# KiCad board keyboard (1).kicad_pcb
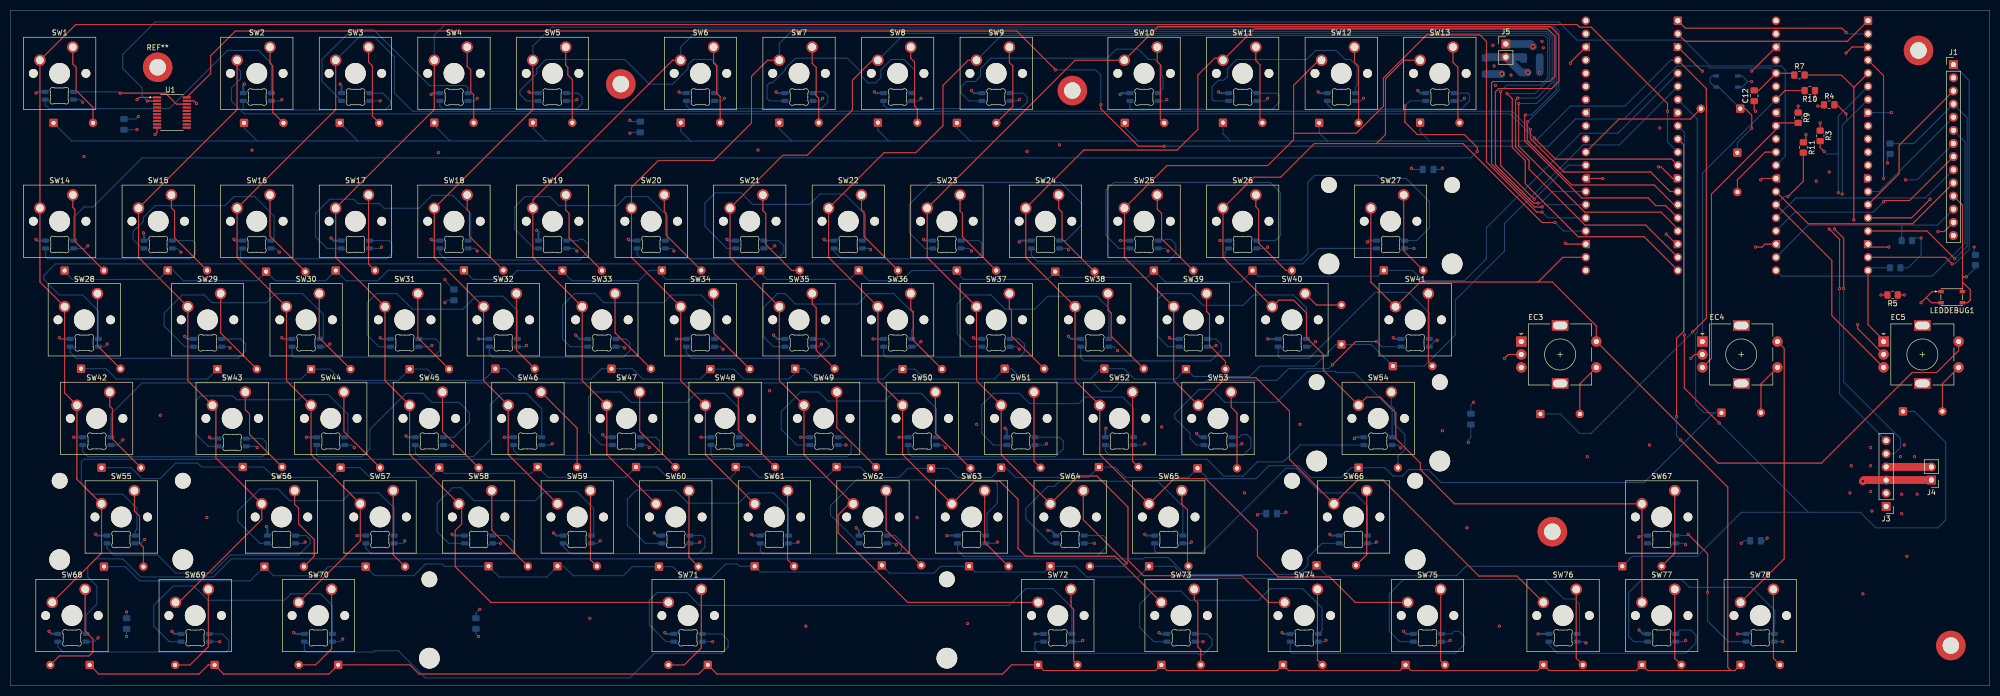
[diagram p0: board, top side]
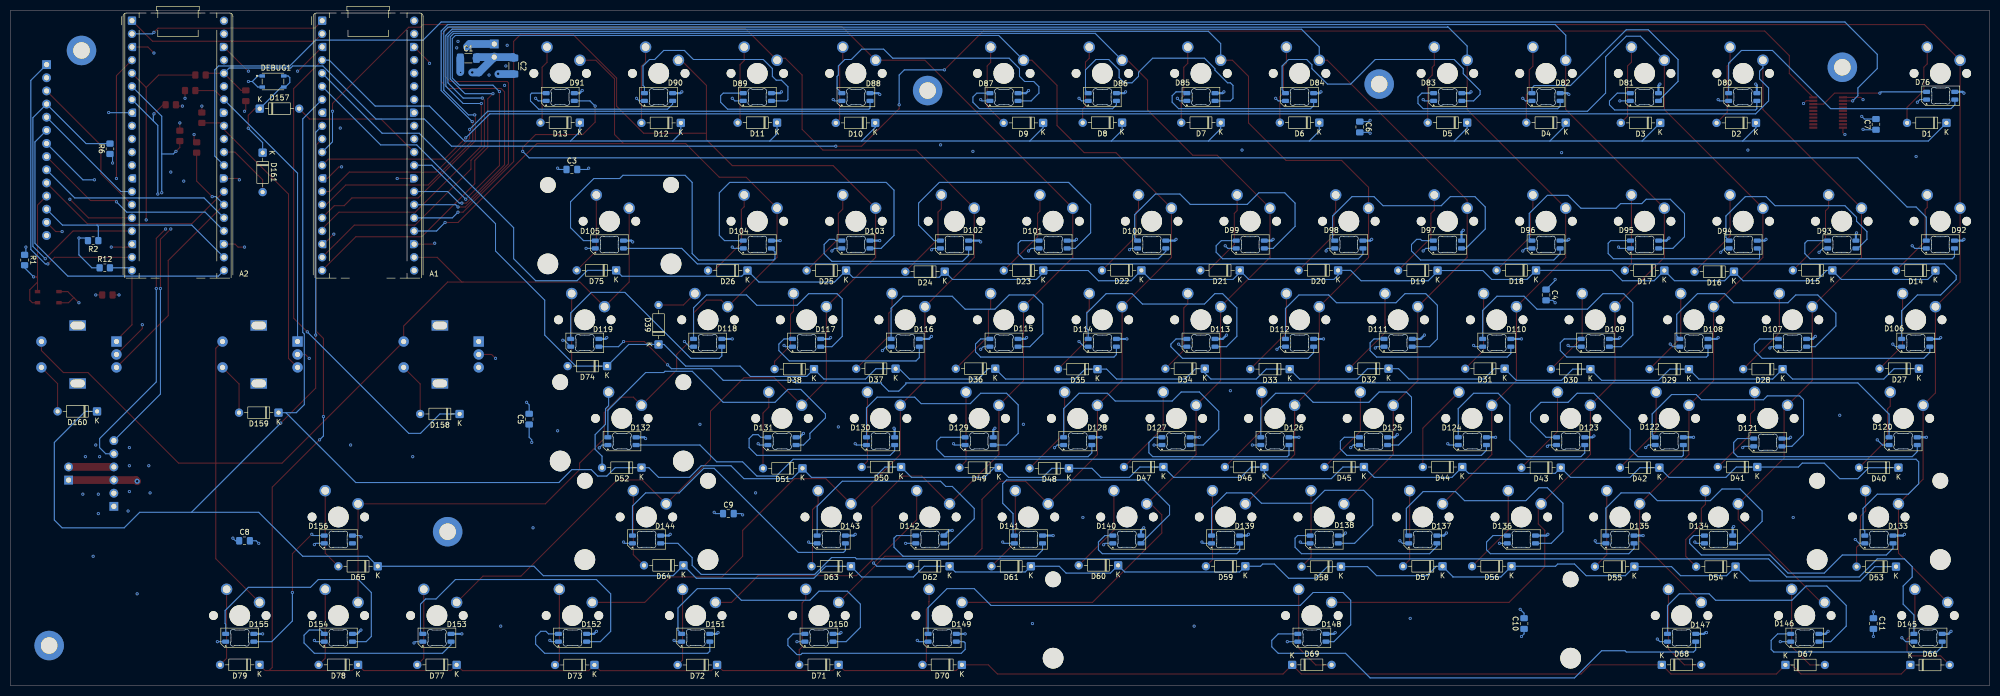
[diagram p1: board, bottom side, seen from below]

Outline 382.46 x 130.5 mm; copper layers: Top, In1.Cu, In2.Cu, Bottom. Coordinates in mm from the lower left corner of the outline.
Outline path: rectangle 0,130.5 382.46,0
Stack: Top 0.035mm / dielectric 0.1mm FR4 er 4.5 / In1.Cu 0.035mm / dielectric 1.24mm FR4 er 4.5 / In2.Cu 0.035mm / dielectric 0.1mm FR4 er 4.5 / Bottom 0.035mm

## Placement (name value [footprint] x y rotation side)
A1  RaspberryPi_Pico  [RaspberryPi_Pico_Common_THT]  322.21 128.5 180 bottom
A2  RaspberryPi_Pico  [RaspberryPi_Pico_Common_THT]  358.96 128.5 180 bottom
C1  10uF  [C_1206_3216Metric_Pad1.33x1.80mm_HandSolder]  293.96 121.25 180 bottom
C2  10uF  [C_1206_3216Metric_Pad1.33x1.80mm_HandSolder]  285.21 119.75 270 bottom
C3  100nF  [C_0805_2012Metric_Pad1.18x1.45mm_HandSolder]  273.96 99.75 180 bottom
C4  100nF  [C_0805_2012Metric_Pad1.18x1.45mm_HandSolder]  85.72 75.5 270 bottom
C5  100nF  [C_0805_2012Metric_Pad1.18x1.45mm_HandSolder]  282.21 51.5 90 bottom
C6  100nF  [C_0805_2012Metric_Pad1.18x1.45mm_HandSolder]  121.72 107.96 270 bottom
C7  100nF  [C_0805_2012Metric_Pad1.18x1.45mm_HandSolder]  21.96 108.46 90 bottom
C8  100nF  [C_0805_2012Metric_Pad1.18x1.45mm_HandSolder]  337.21 28 180 bottom
C9  100nF  [C_0805_2012Metric_Pad1.18x1.45mm_HandSolder]  243.72 33.25 180 bottom
C10  100nF  [C_0805_2012Metric_Pad1.18x1.45mm_HandSolder]  89.97 12 90 bottom
C11  100nF  [C_0805_2012Metric_Pad1.18x1.45mm_HandSolder]  22.46 12 270 bottom
C12  100nF  [C_0805_2012Metric_Pad1.18x1.45mm_HandSolder]  336.96 114 90 top
D1  D  [D_DO-35_SOD27_P7.62mm_Horizontal]  8.35 108.75 0 bottom
D2  D  [D_DO-35_SOD27_P7.62mm_Horizontal]  45.16 108.75 0 bottom
D3  D  [D_DO-35_SOD27_P7.62mm_Horizontal]  63.66 108.75 0 bottom
D4  D  [D_DO-35_SOD27_P7.62mm_Horizontal]  81.92 108.8 0 bottom
D5  D  [D_DO-35_SOD27_P7.62mm_Horizontal]  100.97 108.8 0 bottom
D6  D  [D_DO-35_SOD27_P7.62mm_Horizontal]  129.54 108.8 0 bottom
D7  D  [D_DO-35_SOD27_P7.62mm_Horizontal]  148.59 108.8 0 bottom
D8  D  [D_DO-35_SOD27_P7.62mm_Horizontal]  167.64 108.8 0 bottom
D9  D  [D_DO-35_SOD27_P7.62mm_Horizontal]  182.91 108.75 0 bottom
D10  D  [D_DO-35_SOD27_P7.62mm_Horizontal]  215.34 108.75 0 bottom
D11  D  [D_DO-35_SOD27_P7.62mm_Horizontal]  234.32 108.8 0 bottom
D12  D  [D_DO-35_SOD27_P7.62mm_Horizontal]  252.91 108.75 0 bottom
D13  D  [D_DO-35_SOD27_P7.62mm_Horizontal]  272.41 108.8 0 bottom
D14  D  [D_DO-35_SOD27_P7.62mm_Horizontal]  10.48 80.22 0 bottom
D15  D  [D_DO-35_SOD27_P7.62mm_Horizontal]  30.4 80.25 0 bottom
D16  D  [D_DO-35_SOD27_P7.62mm_Horizontal]  49.41 80 0 bottom
D17  D  [D_DO-35_SOD27_P7.62mm_Horizontal]  62.87 80.22 0 bottom
D18  D  [D_DO-35_SOD27_P7.62mm_Horizontal]  87.66 80.25 0 bottom
D19  D  [D_DO-35_SOD27_P7.62mm_Horizontal]  106.68 80.22 0 bottom
D20  D  [D_DO-35_SOD27_P7.62mm_Horizontal]  125.91 80.25 0 bottom
D21  D  [D_DO-35_SOD27_P7.62mm_Horizontal]  144.91 80.25 0 bottom
D22  D  [D_DO-35_SOD27_P7.62mm_Horizontal]  163.91 80.25 0 bottom
D23  D  [D_DO-35_SOD27_P7.62mm_Horizontal]  182.88 80.22 0 bottom
D24  D  [D_DO-35_SOD27_P7.62mm_Horizontal]  201.91 80 0 bottom
D25  D  [D_DO-35_SOD27_P7.62mm_Horizontal]  220.98 80.22 0 bottom
D26  D  [D_DO-35_SOD27_P7.62mm_Horizontal]  240.03 80.22 0 bottom
D27  D  [D_DO-35_SOD27_P7.62mm_Horizontal]  13.65 61.25 0 bottom
D28  D  [D_DO-35_SOD27_P7.62mm_Horizontal]  40.01 61.17 0 bottom
D29  D  [D_DO-35_SOD27_P7.62mm_Horizontal]  58.1 61.17 0 bottom
D30  D  [D_DO-35_SOD27_P7.62mm_Horizontal]  77.15 61.17 0 bottom
D31  D  [D_DO-35_SOD27_P7.62mm_Horizontal]  93.72 61.25 0 bottom
D32  D  [D_DO-35_SOD27_P7.62mm_Horizontal]  116.16 61.25 0 bottom
D33  D  [D_DO-35_SOD27_P7.62mm_Horizontal]  135.25 61.17 0 bottom
D34  D  [D_DO-35_SOD27_P7.62mm_Horizontal]  151.66 61.25 0 bottom
D35  D  [D_DO-35_SOD27_P7.62mm_Horizontal]  172.4 61.17 0 bottom
D36  D  [D_DO-35_SOD27_P7.62mm_Horizontal]  192.16 61.25 0 bottom
D37  D  [D_DO-35_SOD27_P7.62mm_Horizontal]  211.41 61.25 0 bottom
D38  D  [D_DO-35_SOD27_P7.62mm_Horizontal]  227.17 61.17 0 bottom
D39  D  [D_DO-35_SOD27_P7.62mm_Horizontal]  257.21 65.94 90 bottom
D40  D  [D_DO-35_SOD27_P7.62mm_Horizontal]  17.62 42.12 0 bottom
D41  D  [D_DO-35_SOD27_P7.62mm_Horizontal]  44.91 42.25 0 bottom
D42  D  [D_DO-35_SOD27_P7.62mm_Horizontal]  63.82 42.12 0 bottom
D43  D  [D_DO-35_SOD27_P7.62mm_Horizontal]  82.87 42.12 0 bottom
D44  D  [D_DO-35_SOD27_P7.62mm_Horizontal]  101.91 42.25 0 bottom
D45  D  [D_DO-35_SOD27_P7.62mm_Horizontal]  120.91 42.25 0 bottom
D46  D  [D_DO-35_SOD27_P7.62mm_Horizontal]  140.16 42.25 0 bottom
D47  D  [D_DO-35_SOD27_P7.62mm_Horizontal]  159.66 42.25 0 bottom
D48  D  [D_DO-35_SOD27_P7.62mm_Horizontal]  177.91 42 0 bottom
D49  D  [D_DO-35_SOD27_P7.62mm_Horizontal]  191.45 42.12 0 bottom
D50  D  [D_DO-35_SOD27_P7.62mm_Horizontal]  210.34 42.25 0 bottom
D51  D  [D_DO-35_SOD27_P7.62mm_Horizontal]  229.41 42 0 bottom
D52  D  [D_DO-35_SOD27_P7.62mm_Horizontal]  260.51 42.12 0 bottom
D53  D  [D_DO-35_SOD27_P7.62mm_Horizontal]  18.1 23 0 bottom
D54  D  [D_DO-35_SOD27_P7.62mm_Horizontal]  49.09 23 0 bottom
D55  D  [D_DO-35_SOD27_P7.62mm_Horizontal]  68.66 23 0 bottom
D56  D  [D_DO-35_SOD27_P7.62mm_Horizontal]  92.39 23.07 0 bottom
D57  D  [D_DO-35_SOD27_P7.62mm_Horizontal]  105.73 23.07 0 bottom
D58  D  [D_DO-35_SOD27_P7.62mm_Horizontal]  125.34 23 0 bottom
D59  D  [D_DO-35_SOD27_P7.62mm_Horizontal]  143.83 23.07 0 bottom
D60  D  [D_DO-35_SOD27_P7.62mm_Horizontal]  168.41 23.25 0 bottom
D61  D  [D_DO-35_SOD27_P7.62mm_Horizontal]  185.26 23.07 0 bottom
D62  D  [D_DO-35_SOD27_P7.62mm_Horizontal]  200.98 23.07 0 bottom
D63  D  [D_DO-35_SOD27_P7.62mm_Horizontal]  220.03 23.07 0 bottom
D64  D  [D_DO-35_SOD27_P7.62mm_Horizontal]  252.41 23.25 0 bottom
D65  D  [D_DO-35_SOD27_P7.62mm_Horizontal]  311.47 23.07 0 bottom
D66  D  [D_DO-35_SOD27_P7.62mm_Horizontal]  15.33 4 180 bottom
D67  D  [D_DO-35_SOD27_P7.62mm_Horizontal]  39.47 4 180 bottom
D68  D  [D_DO-35_SOD27_P7.62mm_Horizontal]  63.34 4.02 180 bottom
D69  D  [D_DO-35_SOD27_P7.62mm_Horizontal]  134.78 4.02 180 bottom
D70  D  [D_DO-35_SOD27_P7.62mm_Horizontal]  198.6 4.02 0 bottom
D71  D  [D_DO-35_SOD27_P7.62mm_Horizontal]  222.41 4.02 0 bottom
D72  D  [D_DO-35_SOD27_P7.62mm_Horizontal]  245.91 4 0 bottom
D73  D  [D_DO-35_SOD27_P7.62mm_Horizontal]  269.59 4 0 bottom
D74  D  [D_DO-35_SOD27_P7.62mm_Horizontal]  267.15 61.75 0 bottom
D75  D  [D_DO-35_SOD27_P7.62mm_Horizontal]  265.4 80.25 0 bottom
D76  SK6812MINI-E  [LED_SK6812MINI-E_3.2x2.8mm_P1.5mm_ReverseMount]  9.46 114 180 bottom
D77  D  [D_DO-35_SOD27_P7.62mm_Horizontal]  296.23 4.02 0 bottom
D78  D  [D_DO-35_SOD27_P7.62mm_Horizontal]  315.28 4.02 0 bottom
D79  D  [D_DO-35_SOD27_P7.62mm_Horizontal]  334.33 4.02 0 bottom
D80  SK6812MINI-E  [LED_SK6812MINI-E_3.2x2.8mm_P1.5mm_ReverseMount]  47.72 113.75 180 bottom
D81  SK6812MINI-E  [LED_SK6812MINI-E_3.2x2.8mm_P1.5mm_ReverseMount]  66.72 113.75 180 bottom
D82  SK6812MINI-E  [LED_SK6812MINI-E_3.2x2.8mm_P1.5mm_ReverseMount]  85.72 113.75 180 bottom
D83  SK6812MINI-E  [LED_SK6812MINI-E_3.2x2.8mm_P1.5mm_ReverseMount]  104.72 113.75 180 bottom
D84  SK6812MINI-E  [LED_SK6812MINI-E_3.2x2.8mm_P1.5mm_ReverseMount]  133.35 113.75 180 bottom
D85  SK6812MINI-E  [LED_SK6812MINI-E_3.2x2.8mm_P1.5mm_ReverseMount]  152.4 113.75 180 bottom
D86  SK6812MINI-E  [LED_SK6812MINI-E_3.2x2.8mm_P1.5mm_ReverseMount]  171.47 113.75 180 bottom
D87  SK6812MINI-E  [LED_SK6812MINI-E_3.2x2.8mm_P1.5mm_ReverseMount]  190.47 113.75 180 bottom
D88  SK6812MINI-E  [LED_SK6812MINI-E_3.2x2.8mm_P1.5mm_ReverseMount]  219.08 113.75 180 bottom
D89  SK6812MINI-E  [LED_SK6812MINI-E_3.2x2.8mm_P1.5mm_ReverseMount]  238.13 113.75 180 bottom
D90  SK6812MINI-E  [LED_SK6812MINI-E_3.2x2.8mm_P1.5mm_ReverseMount]  257.21 113.75 180 bottom
D91  SK6812MINI-E  [LED_SK6812MINI-E_3.2x2.8mm_P1.5mm_ReverseMount]  276.21 113.75 180 bottom
D92  SK6812MINI-E  [LED_SK6812MINI-E_3.2x2.8mm_P1.5mm_ReverseMount]  9.53 85.25 180 bottom
D93  SK6812MINI-E  [LED_SK6812MINI-E_3.2x2.8mm_P1.5mm_ReverseMount]  28.57 85.25 180 bottom
D94  SK6812MINI-E  [LED_SK6812MINI-E_3.2x2.8mm_P1.5mm_ReverseMount]  47.62 85.25 180 bottom
D95  SK6812MINI-E  [LED_SK6812MINI-E_3.2x2.8mm_P1.5mm_ReverseMount]  66.67 85.25 180 bottom
D96  SK6812MINI-E  [LED_SK6812MINI-E_3.2x2.8mm_P1.5mm_ReverseMount]  85.73 85.25 180 bottom
D97  SK6812MINI-E  [LED_SK6812MINI-E_3.2x2.8mm_P1.5mm_ReverseMount]  104.78 85.25 180 bottom
D98  SK6812MINI-E  [LED_SK6812MINI-E_3.2x2.8mm_P1.5mm_ReverseMount]  123.83 85.25 180 bottom
D99  SK6812MINI-E  [LED_SK6812MINI-E_3.2x2.8mm_P1.5mm_ReverseMount]  142.88 85.25 180 bottom
D100  SK6812MINI-E  [LED_SK6812MINI-E_3.2x2.8mm_P1.5mm_ReverseMount]  161.93 85.25 180 bottom
D101  SK6812MINI-E  [LED_SK6812MINI-E_3.2x2.8mm_P1.5mm_ReverseMount]  180.97 85.25 180 bottom
D102  SK6812MINI-E  [LED_SK6812MINI-E_3.2x2.8mm_P1.5mm_ReverseMount]  200.03 85.25 180 bottom
D103  SK6812MINI-E  [LED_SK6812MINI-E_3.2x2.8mm_P1.5mm_ReverseMount]  219.08 85.25 180 bottom
D104  SK6812MINI-E  [LED_SK6812MINI-E_3.2x2.8mm_P1.5mm_ReverseMount]  238.13 85.25 180 bottom
D105  SK6812MINI-E  [LED_SK6812MINI-E_3.2x2.8mm_P1.5mm_ReverseMount]  266.71 85.25 180 bottom
D106  SK6812MINI-E  [LED_SK6812MINI-E_3.2x2.8mm_P1.5mm_ReverseMount]  14.29 66.25 180 bottom
D107  SK6812MINI-E  [LED_SK6812MINI-E_3.2x2.8mm_P1.5mm_ReverseMount]  38.1 66.25 180 bottom
D108  SK6812MINI-E  [LED_SK6812MINI-E_3.2x2.8mm_P1.5mm_ReverseMount]  57.15 66.25 180 bottom
D109  SK6812MINI-E  [LED_SK6812MINI-E_3.2x2.8mm_P1.5mm_ReverseMount]  76.2 66.25 180 bottom
D110  SK6812MINI-E  [LED_SK6812MINI-E_3.2x2.8mm_P1.5mm_ReverseMount]  95.25 66.25 180 bottom
D111  SK6812MINI-E  [LED_SK6812MINI-E_3.2x2.8mm_P1.5mm_ReverseMount]  114.3 66.25 180 bottom
D112  SK6812MINI-E  [LED_SK6812MINI-E_3.2x2.8mm_P1.5mm_ReverseMount]  133.35 66.25 180 bottom
D113  SK6812MINI-E  [LED_SK6812MINI-E_3.2x2.8mm_P1.5mm_ReverseMount]  152.4 66.25 180 bottom
D114  SK6812MINI-E  [LED_SK6812MINI-E_3.2x2.8mm_P1.5mm_ReverseMount]  171.47 66.25 180 bottom
D115  SK6812MINI-E  [LED_SK6812MINI-E_3.2x2.8mm_P1.5mm_ReverseMount]  190.47 66.25 180 bottom
D116  SK6812MINI-E  [LED_SK6812MINI-E_3.2x2.8mm_P1.5mm_ReverseMount]  209.55 66.25 180 bottom
D117  SK6812MINI-E  [LED_SK6812MINI-E_3.2x2.8mm_P1.5mm_ReverseMount]  228.6 66.25 180 bottom
D118  SK6812MINI-E  [LED_SK6812MINI-E_3.2x2.8mm_P1.5mm_ReverseMount]  247.72 66.25 180 bottom
D119  SK6812MINI-E  [LED_SK6812MINI-E_3.2x2.8mm_P1.5mm_ReverseMount]  271.46 66.25 180 bottom
D120  SK6812MINI-E  [LED_SK6812MINI-E_3.2x2.8mm_P1.5mm_ReverseMount]  16.71 47.25 180 bottom
D121  SK6812MINI-E  [LED_SK6812MINI-E_3.2x2.8mm_P1.5mm_ReverseMount]  42.86 47 180 bottom
D122  SK6812MINI-E  [LED_SK6812MINI-E_3.2x2.8mm_P1.5mm_ReverseMount]  61.91 47.25 180 bottom
D123  SK6812MINI-E  [LED_SK6812MINI-E_3.2x2.8mm_P1.5mm_ReverseMount]  80.97 47.25 180 bottom
D124  SK6812MINI-E  [LED_SK6812MINI-E_3.2x2.8mm_P1.5mm_ReverseMount]  99.97 47.25 180 bottom
D125  SK6812MINI-E  [LED_SK6812MINI-E_3.2x2.8mm_P1.5mm_ReverseMount]  119.06 47.25 180 bottom
D126  SK6812MINI-E  [LED_SK6812MINI-E_3.2x2.8mm_P1.5mm_ReverseMount]  138.11 47.25 180 bottom
D127  SK6812MINI-E  [LED_SK6812MINI-E_3.2x2.8mm_P1.5mm_ReverseMount]  157.22 47.25 180 bottom
D128  SK6812MINI-E  [LED_SK6812MINI-E_3.2x2.8mm_P1.5mm_ReverseMount]  176.22 47.25 180 bottom
D129  SK6812MINI-E  [LED_SK6812MINI-E_3.2x2.8mm_P1.5mm_ReverseMount]  195.26 47.25 180 bottom
D130  SK6812MINI-E  [LED_SK6812MINI-E_3.2x2.8mm_P1.5mm_ReverseMount]  214.31 47.25 180 bottom
D131  SK6812MINI-E  [LED_SK6812MINI-E_3.2x2.8mm_P1.5mm_ReverseMount]  233.36 47.25 180 bottom
D132  SK6812MINI-E  [LED_SK6812MINI-E_3.2x2.8mm_P1.5mm_ReverseMount]  264.28 47.25 180 bottom
D133  SK6812MINI-E  [LED_SK6812MINI-E_3.2x2.8mm_P1.5mm_ReverseMount]  21.4 28.25 180 bottom
D134  SK6812MINI-E  [LED_SK6812MINI-E_3.2x2.8mm_P1.5mm_ReverseMount]  52.39 28.25 180 bottom
D135  SK6812MINI-E  [LED_SK6812MINI-E_3.2x2.8mm_P1.5mm_ReverseMount]  71.44 28.25 180 bottom
D136  SK6812MINI-E  [LED_SK6812MINI-E_3.2x2.8mm_P1.5mm_ReverseMount]  90.49 28.25 180 bottom
D137  SK6812MINI-E  [LED_SK6812MINI-E_3.2x2.8mm_P1.5mm_ReverseMount]  109.54 28.25 180 bottom
D138  SK6812MINI-E  [LED_SK6812MINI-E_3.2x2.8mm_P1.5mm_ReverseMount]  128.59 28.25 180 bottom
D139  SK6812MINI-E  [LED_SK6812MINI-E_3.2x2.8mm_P1.5mm_ReverseMount]  147.64 28.25 180 bottom
D140  SK6812MINI-E  [LED_SK6812MINI-E_3.2x2.8mm_P1.5mm_ReverseMount]  166.72 28.25 180 bottom
D141  SK6812MINI-E  [LED_SK6812MINI-E_3.2x2.8mm_P1.5mm_ReverseMount]  185.74 28.25 180 bottom
D142  SK6812MINI-E  [LED_SK6812MINI-E_3.2x2.8mm_P1.5mm_ReverseMount]  204.79 28.25 180 bottom
D143  SK6812MINI-E  [LED_SK6812MINI-E_3.2x2.8mm_P1.5mm_ReverseMount]  223.84 28.25 180 bottom
D144  SK6812MINI-E  [LED_SK6812MINI-E_3.2x2.8mm_P1.5mm_ReverseMount]  259.53 28.25 180 bottom
D145  SK6812MINI-E  [LED_SK6812MINI-E_3.2x2.8mm_P1.5mm_ReverseMount]  11.91 9.25 180 bottom
D146  SK6812MINI-E  [LED_SK6812MINI-E_3.2x2.8mm_P1.5mm_ReverseMount]  35.72 9.25 180 bottom
D147  SK6812MINI-E  [LED_SK6812MINI-E_3.2x2.8mm_P1.5mm_ReverseMount]  59.53 9.25 180 bottom
D148  SK6812MINI-E  [LED_SK6812MINI-E_3.2x2.8mm_P1.5mm_ReverseMount]  130.97 9.25 180 bottom
D149  SK6812MINI-E  [LED_SK6812MINI-E_3.2x2.8mm_P1.5mm_ReverseMount]  202.41 9.25 180 bottom
D150  SK6812MINI-E  [LED_SK6812MINI-E_3.2x2.8mm_P1.5mm_ReverseMount]  226.22 9.25 180 bottom
D151  SK6812MINI-E  [LED_SK6812MINI-E_3.2x2.8mm_P1.5mm_ReverseMount]  250.03 9.25 180 bottom
D152  SK6812MINI-E  [LED_SK6812MINI-E_3.2x2.8mm_P1.5mm_ReverseMount]  273.84 9.25 180 bottom
D153  SK6812MINI-E  [LED_SK6812MINI-E_3.2x2.8mm_P1.5mm_ReverseMount]  300.04 9.25 180 bottom
D154  SK6812MINI-E  [LED_SK6812MINI-E_3.2x2.8mm_P1.5mm_ReverseMount]  319.09 9.25 180 bottom
D155  SK6812MINI-E  [LED_SK6812MINI-E_3.2x2.8mm_P1.5mm_ReverseMount]  338.14 9.25 180 bottom
D156  SK6812MINI-E  [LED_SK6812MINI-E_3.2x2.8mm_P1.5mm_ReverseMount]  319.09 28.25 180 bottom
D157  D  [D_DO-35_SOD27_P7.62mm_Horizontal]  334.27 111.5 180 bottom
D158  D  [D_DO-35_SOD27_P7.62mm_Horizontal]  295.65 52.5 0 bottom
D159  D  [D_DO-35_SOD27_P7.62mm_Horizontal]  330.65 52.75 0 bottom
D160  D  [D_DO-35_SOD27_P7.62mm_Horizontal]  365.71 53 0 bottom
D161  D  [D_DO-35_SOD27_P7.62mm_Horizontal]  333.71 103 270 bottom
DEBUG1  SW_Push  [SW_PTS810_SJM_250_SMTR_LFS]  331.71 116.75 180 bottom
EC3  RotaryEncoder_Switch  [RotaryEncoder_Alps_EC11E-Switch_Vertical_H20mm]  291.96 66.5 0 top
EC4  RotaryEncoder_Switch  [RotaryEncoder_Alps_EC11E-Switch_Vertical_H20mm]  326.96 66.5 0 top
EC5  RotaryEncoder_Switch  [RotaryEncoder_Alps_EC11E-Switch_Vertical_H20mm]  361.96 66.5 0 top
J1  Conn_01x14_Pin  [PinHeader_1x14_P2.54mm_Vertical]  375.46 120.01 0 top
J3  Conn_01x06_Pin  [PinHeader_1x06_P2.54mm_Vertical]  362.46 34.65 180 top
J4  Conn_01x02_Pin  [PinHeader_1x02_P2.54mm_Vertical]  371.21 39.72 180 top
J5  Conn_01x02_Pin  [PinHeader_1x02_P2.54mm_Vertical]  288.96 124 0 top
LEDDEBUG1  SW_Push  [SW_PTS810_SJM_250_SMTR_LFS]  375.14 75.08 0 top
NOREF  -  [unnamed]  117.97 116.25 0 top
NOREF#2  -  [unnamed]  374.96 7.75 0 top
NOREF#3  -  [unnamed]  297.96 29.75 0 top
NOREF#4  -  [unnamed]  368.71 122.75 0 top
NOREF#5  -  [unnamed]  205.22 115 0 top
R1  10k  [R_0805_2012Metric_Pad1.20x1.40mm_HandSolder]  379.71 82.25 270 bottom
R2  10k  [R_0805_2012Metric_Pad1.20x1.40mm_HandSolder]  366.46 86 0 bottom
R3  4.7k  [R_0805_2012Metric_Pad1.20x1.40mm_HandSolder]  349.71 106.25 270 top
R4  4.7k  [R_0805_2012Metric_Pad1.20x1.40mm_HandSolder]  351.46 112.25 0 top
R5  10k  [R_0805_2012Metric_Pad1.20x1.40mm_HandSolder]  363.71 75.5 180 top
R6  10k  [R_0805_2012Metric_Pad1.20x1.40mm_HandSolder]  363.21 103.75 90 bottom
R7  10k  [R_0805_2012Metric_Pad1.20x1.40mm_HandSolder]  345.71 118 0 top
R9  10k  [R_0805_2012Metric_Pad1.20x1.40mm_HandSolder]  345.46 109.75 270 top
R10  10k  [R_0805_2012Metric_Pad1.20x1.40mm_HandSolder]  347.71 115 180 top
R11  10k  [R_0805_2012Metric_Pad1.20x1.40mm_HandSolder]  346.46 104 270 top
R12  10k  [R_0805_2012Metric_Pad1.20x1.40mm_HandSolder]  364.21 80.75 180 bottom
REF**  -  [MountingHole_3.2mm_M3_ISO7380_Pad]  28.46 119.5 0 top
SW1  SW_Push  [SW_Cherry_MX_1.00u_PCB]  12.07 123.4 0 top
SW2  SW_Push  [SW_Cherry_MX_1.00u_PCB]  50.17 123.4 0 top
SW3  SW_Push  [SW_Cherry_MX_1.00u_PCB]  69.22 123.4 0 top
SW4  SW_Push  [SW_Cherry_MX_1.00u_PCB]  88.27 123.4 0 top
SW5  SW_Push  [SW_Cherry_MX_1.00u_PCB]  107.31 123.4 0 top
SW6  SW_Push  [SW_Cherry_MX_1.00u_PCB]  135.89 123.4 0 top
SW7  SW_Push  [SW_Cherry_MX_1.00u_PCB]  154.94 123.4 0 top
SW8  SW_Push  [SW_Cherry_MX_1.00u_PCB]  173.99 123.4 0 top
SW9  SW_Push  [SW_Cherry_MX_1.00u_PCB]  193.04 123.4 0 top
SW10  SW_Push  [SW_Cherry_MX_1.00u_PCB]  221.62 123.4 0 top
SW11  SW_Push  [SW_Cherry_MX_1.00u_PCB]  240.66 123.4 0 top
SW12  SW_Push  [SW_Cherry_MX_1.00u_PCB]  259.71 123.4 0 top
SW13  SW_Push  [SW_Cherry_MX_1.00u_PCB]  278.76 123.4 0 top
SW14  SW_Push  [SW_Cherry_MX_1.00u_PCB]  12.07 94.83 0 top
SW15  SW_Push  [SW_Cherry_MX_1.00u_PCB]  31.11 94.83 0 top
SW16  SW_Push  [SW_Cherry_MX_1.00u_PCB]  50.17 94.83 0 top
SW17  SW_Push  [SW_Cherry_MX_1.00u_PCB]  69.22 94.83 0 top
SW18  SW_Push  [SW_Cherry_MX_1.00u_PCB]  88.27 94.83 0 top
SW19  SW_Push  [SW_Cherry_MX_1.00u_PCB]  107.31 94.83 0 top
SW20  SW_Push  [SW_Cherry_MX_1.00u_PCB]  126.37 94.83 0 top
SW21  SW_Push  [SW_Cherry_MX_1.00u_PCB]  145.41 94.83 0 top
SW22  SW_Push  [SW_Cherry_MX_1.00u_PCB]  164.47 94.83 0 top
SW23  SW_Push  [SW_Cherry_MX_1.00u_PCB]  183.52 94.83 0 top
SW24  SW_Push  [SW_Cherry_MX_1.00u_PCB]  202.56 94.83 0 top
SW25  SW_Push  [SW_Cherry_MX_1.00u_PCB]  221.62 94.83 0 top
SW26  SW_Push  [SW_Cherry_MX_1.00u_PCB]  240.66 94.83 0 top
SW27  SW_Push  [SW_Cherry_MX_2.00u_PCB]  269.24 94.83 0 top
SW28  SW_Push  [SW_Cherry_MX_1.50u_PCB]  16.83 75.78 0 top
SW29  SW_Push  [SW_Cherry_MX_1.00u_PCB]  40.64 75.78 0 top
SW30  SW_Push  [SW_Cherry_MX_1.00u_PCB]  59.69 75.78 0 top
SW31  SW_Push  [SW_Cherry_MX_1.00u_PCB]  78.74 75.78 0 top
SW32  SW_Push  [SW_Cherry_MX_1.00u_PCB]  97.79 75.78 0 top
SW33  SW_Push  [SW_Cherry_MX_1.00u_PCB]  116.84 75.78 0 top
SW34  SW_Push  [SW_Cherry_MX_1.00u_PCB]  135.89 75.78 0 top
SW35  SW_Push  [SW_Cherry_MX_1.00u_PCB]  154.94 75.78 0 top
SW36  SW_Push  [SW_Cherry_MX_1.00u_PCB]  173.99 75.78 0 top
SW37  SW_Push  [SW_Cherry_MX_1.00u_PCB]  193.04 75.78 0 top
SW38  SW_Push  [SW_Cherry_MX_1.00u_PCB]  212.09 75.78 0 top
SW39  SW_Push  [SW_Cherry_MX_1.00u_PCB]  231.14 75.78 0 top
SW40  SW_Push  [SW_Cherry_MX_1.00u_PCB]  250.19 75.78 0 top
SW41  SW_Push  [SW_Cherry_MX_1.50u_PCB]  274 75.78 0 top
SW42  SW_Push  [SW_Cherry_MX_1.50u_PCB]  19.21 56.72 0 top
SW43  SW_Push  [SW_Cherry_MX_1.00u_PCB]  45.4 56.72 0 top
SW44  SW_Push  [SW_Cherry_MX_1.00u_PCB]  64.45 56.72 0 top
SW45  SW_Push  [SW_Cherry_MX_1.00u_PCB]  83.5 56.72 0 top
SW46  SW_Push  [SW_Cherry_MX_1.00u_PCB]  102.55 56.72 0 top
SW47  SW_Push  [SW_Cherry_MX_1.00u_PCB]  121.6 56.72 0 top
SW48  SW_Push  [SW_Cherry_MX_1.00u_PCB]  140.65 56.72 0 top
SW49  SW_Push  [SW_Cherry_MX_1.00u_PCB]  159.7 56.72 0 top
SW50  SW_Push  [SW_Cherry_MX_1.00u_PCB]  178.75 56.72 0 top
SW51  SW_Push  [SW_Cherry_MX_1.00u_PCB]  197.8 56.72 0 top
SW52  SW_Push  [SW_Cherry_MX_1.00u_PCB]  216.85 56.72 0 top
SW53  SW_Push  [SW_Cherry_MX_1.00u_PCB]  235.9 56.72 0 top
SW54  SW_Push  [SW_Cherry_MX_2.25u_PCB]  266.86 56.72 0 top
SW55  SW_Push  [SW_Cherry_MX_2.25u_PCB]  23.97 37.67 0 top
SW56  SW_Push  [SW_Cherry_MX_1.00u_PCB]  54.93 37.67 0 top
SW57  SW_Push  [SW_Cherry_MX_1.00u_PCB]  73.98 37.67 0 top
SW58  SW_Push  [SW_Cherry_MX_1.00u_PCB]  93.03 37.67 0 top
SW59  SW_Push  [SW_Cherry_MX_1.00u_PCB]  112.08 37.67 0 top
SW60  SW_Push  [SW_Cherry_MX_1.00u_PCB]  131.13 37.67 0 top
SW61  SW_Push  [SW_Cherry_MX_1.00u_PCB]  150.18 37.67 0 top
SW62  SW_Push  [SW_Cherry_MX_1.00u_PCB]  169.23 37.67 0 top
SW63  SW_Push  [SW_Cherry_MX_1.00u_PCB]  188.28 37.67 0 top
SW64  SW_Push  [SW_Cherry_MX_1.00u_PCB]  207.33 37.67 0 top
SW65  SW_Push  [SW_Cherry_MX_1.00u_PCB]  226.38 37.67 0 top
SW66  SW_Push  [SW_Cherry_MX_2.75u_PCB]  262.1 37.67 0 top
SW67  SW_Push  [SW_Cherry_MX_1.00u_PCB]  321.63 37.67 0 top
SW68  SW_Push  [SW_Cherry_MX_1.25u_PCB]  14.45 18.62 0 top
SW69  SW_Push  [SW_Cherry_MX_1.25u_PCB]  38.26 18.62 0 top
SW70  SW_Push  [SW_Cherry_MX_1.25u_PCB]  62.07 18.62 0 top
SW71  SW_Push  [SW_Cherry_MX_6.25u_PCB]  133.51 18.62 0 top
SW72  SW_Push  [SW_Cherry_MX_1.25u_PCB]  204.95 18.62 0 top
SW73  SW_Push  [SW_Cherry_MX_1.25u_PCB]  228.76 18.62 0 top
SW74  SW_Push  [SW_Cherry_MX_1.25u_PCB]  252.57 18.62 0 top
SW75  SW_Push  [SW_Cherry_MX_1.25u_PCB]  276.38 18.62 0 top
SW76  SW_Push  [SW_Cherry_MX_1.00u_PCB]  302.58 18.62 0 top
SW77  SW_Push  [SW_Cherry_MX_1.00u_PCB]  321.63 18.62 0 top
SW78  SW_Push  [SW_Cherry_MX_1.00u_PCB]  340.68 18.62 0 top
U1  SN74HCT245PWR  [SOP65P640X120-20N]  31.21 110.75 0 top

## Library data of the parts
A1 A2 = -: Datasheet: https://datasheets.raspberrypi.com/pico/pico-datasheet.pdf; Description: Versatile and inexpensive microcontroller module (with full pinout for test point and debug connections) powered by RP2040 dual-core Arm Cortex-M0+ processor up to 133 MHz, 264kB SRAM, 2MB QSPI flash; also supports Raspberry Pi Pico 2; ki_fp_filters: RaspberryPi?Pico?SMD
C1-C12 = -: Description: Unpolarized capacitor; KiLib_Generator: SMD_2terminal_chip_molded; ki_fp_filters: C_*
D1-D75 D77-D79 D157-D161 = -: Description: Diode; KiLib_Generator: diode/THT; Sim.Pins: 1=K 2=A; ki_fp_filters: TO-???* *_Diode_* *SingleDiode* D_*
D76 D80-D156 = -: Datasheet: https://www.lcsc.com/datasheet/C5149201.pdf; Description: RGB LED with integrated controller; ki_fp_filters: LED?SK6812MINI?E?3.2x2.8mm?P1.5mm*
DEBUG1 LEDDEBUG1 SW1-SW78 = -: Description: Push button switch, generic, two pins
EC3-EC5 = -: Description: Rotary encoder, dual channel, incremental quadrate outputs, with switch; ki_fp_filters: RotaryEncoder*Switch*
J1 = -: Description: Generic connector, single row, 01x14, script generated; KiLib_Generator: connector/pin_header_socket; ki_fp_filters: Connector*:*_1x??_*
J3 = -: Description: Generic connector, single row, 01x06, script generated; KiLib_Generator: connector/pin_header_socket; ki_fp_filters: Connector*:*_1x??_*
J4 J5 = -: Description: Generic connector, single row, 01x02, script generated; KiLib_Generator: connector/pin_header_socket; ki_fp_filters: Connector*:*_1x??_*
R1-R7 R9-R12 = -: Description: Resistor; KiLib_Generator: SMD_2terminal_chip_molded; ki_fp_filters: R_*
REF** = -: KiLib_Generator: mounting_hardware/mounting_hole
U1 = -: Description: Octal bus transceivers with tri-state outputs; MF: Texas Instruments; Package: TSSOP-20 Texas Instruments; Price: None; SnapEDA_Link: https://www.snapeda.com/parts/SN74HCT245PWR/Texas+Instruments/view-part/?ref=snap; Availability: In Stock; Check_prices: https://www.snapeda.com/parts/SN74HCT245PWR/Texas+Instruments/view-part/?ref=eda
